# Altium PCB VCOCXO Breakout.PcbDoc (continued)
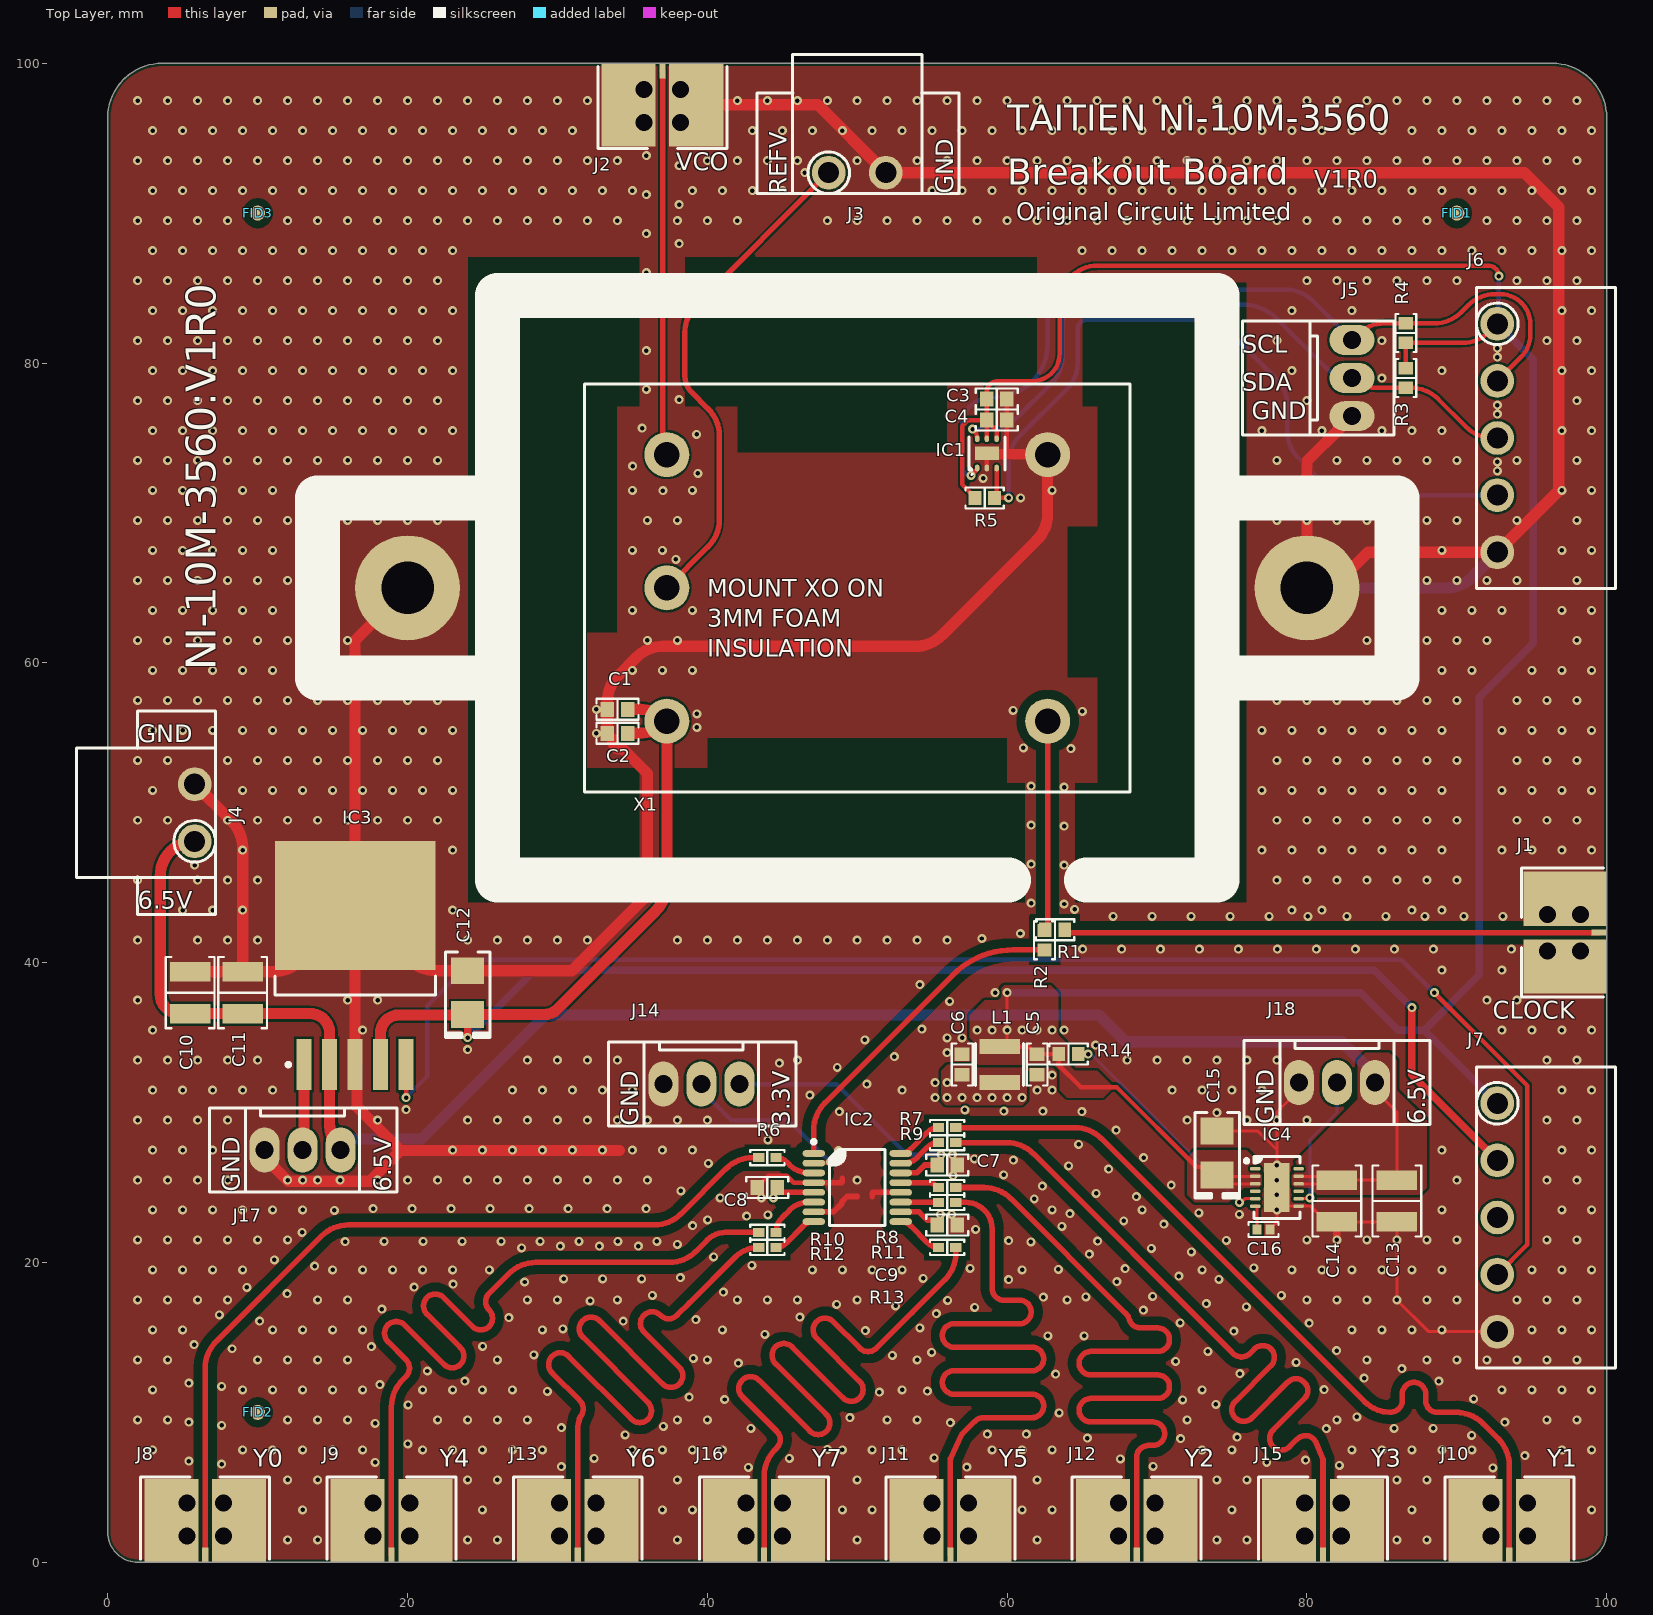
[diagram p0: Top Layer view]
## Part data
C1 C3 C6: library part GCM188R71E105KA64D, "CAP CER 1UF 25V X7R 0603", Device Package="0603 (1608 Metric)", Manufacturer="Murata Electronics", Operating Temperature="-55°C ~ 125°C", Ratings=AEC-Q200, Supplier Part Number 1=490-10673-1-ND, Temperature Coefficient=X7R, Tolerance=±10%, Voltage - Rated=25V, Applications=Automotive, Capacitance="1 µF", ComponentLink1Description=Datasheet, ComponentLink1URL=https://www.murata.com/~/media/webrenewal/support/library/catalog/products/capacitor/mlcc/c03e.ashx?la=en-us, ComponentLink2Description="DigiKey Link", ComponentLink2URL=https://www.digikey.com/en/products/detail/murata-electronics/GCM188R71E105KA64D/4903956, LastUpdated="20/08/2023 19:09:04", Lifecycle Status=Active, Minimum Order=1, Mounting Type="Surface Mount, MLCC", Package / Case="0603 (1608 Metric)", Packaging=TapeAndReel, Part Number=GCM188R71E105KA64D, Part Status=Active, partid=6762, Price=0.03, Series=GCM, Size / Dimension="0.063\" L x 0.031\" W (1.60mm x 0.80mm)", Supplier 1=DigiKey, Thickness (Max)="0.035\" (0.90mm)"
C2 C4 C7 C8 C9: library part CL10B104KB8NNNC, "CAP CER 0.1UF 50V X7R 0603", Device Package="0603 (1608 Metric)", Manufacturer="Samsung Electro-Mechanics", Operating Temperature="-55°C ~ 125°C", Supplier Part Number 1=1276-1000-1-ND, Temperature Coefficient=X7R, Tolerance=±10%, Voltage - Rated=50V, Applications="General Purpose", Capacitance="0.1 µF", ComponentLink1Description=Datasheet, ComponentLink1URL=http://www.samsungsem.com/kr/support/product-search/mlcc/CL10B104KB8NNNC.jsp, ComponentLink2Description="DigiKey Link", ComponentLink2URL=https://www.digikey.com/en/products/detail/samsung-electro-mechanics/CL10B104KB8NNNC/3886658, LastUpdated="02/11/2023 19:13:06", Lifecycle Status=Active, Minimum Order=1, Mounting Type="Surface Mount, MLCC", Package / Case="0603 (1608 Metric)", Packaging=TapeAndReel, Part Number=CL10B104KB8NNNC, Part Status=Active, partid=9788, Price=0.01, Series=CL, Size / Dimension="0.063\" L x 0.031\" W (1.60mm x 0.80mm)", Supplier 1=DigiKey, Thickness (Max)="0.035\" (0.90mm)"
C5: library part CL10A226MP8NUNE, "CAP CER 22UF 10V X5R 0603", Device Package="0603 (1608 Metric)", Manufacturer="Samsung Electro-Mechanics", Operating Temperature="-55°C ~ 85°C", Supplier Part Number 1=1276-1274-1-ND, Temperature Coefficient=X5R, Tolerance=±20%, Voltage - Rated=10V, Applications="General Purpose", Capacitance="22 µF", ComponentLink1Description=Datasheet, ComponentLink1URL=http://www.samsungsem.com/kr/support/product-search/mlcc/CL10A226MP8NUNE.jsp, ComponentLink2Description="DigiKey Link", ComponentLink2URL=https://www.digikey.com/en/products/detail/samsung-electro-mechanics/CL10A226MP8NUNE/3886932, LastUpdated="02/11/2023 19:13:02", Lifecycle Status=Active, Minimum Order=1, Mounting Type="Surface Mount, MLCC", Package / Case="0603 (1608 Metric)", Packaging=TapeAndReel, Part Number=CL10A226MP8NUNE, Part Status=Active, partid=11458, Price=0.02, Series=CL, Size / Dimension="0.063\" L x 0.031\" W (1.60mm x 0.80mm)", Supplier 1=DigiKey, Thickness (Max)="0.035\" (0.90mm)"
C10 C11 C13 C14: library part CL32B226KAJNNNE, "CAP CER 22UF 25V X7R 1210", Device Package="1210 (3225 Metric)", Manufacturer="Samsung Electro-Mechanics", Operating Temperature="-55°C ~ 125°C", Supplier Part Number 1=1276-3392-1-ND, Temperature Coefficient=X7R, Tolerance=±10%, Voltage - Rated=25V, Applications="General Purpose", Capacitance="22 µF", ComponentLink1Description=Datasheet, ComponentLink1URL=http://www.samsungsem.com/kr/support/product-search/mlcc/CL32B226KAJNNNE.jsp, ComponentLink2Description="DigiKey Link", ComponentLink2URL=https://www.digikey.com/en/products/detail/samsung-electro-mechanics/CL32B226KAJNNNE/3889050, LastUpdated="11/03/2024 07:19:56", Lifecycle Status=Active, Minimum Order=1, Mounting Type="Surface Mount, MLCC", Package / Case="1210 (3225 Metric)", Packaging=TapeAndReel, Part Number=CL32B226KAJNNNE, Part Status=Active, partid=39957, Price=0.13, Series=CL, Size / Dimension="0.126\" L x 0.098\" W (3.20mm x 2.50mm)", Supplier 1=DigiKey, Thickness (Max)="0.106\" (2.70mm)"
C12 C15: library part TAJB336K016RNJ, "CAP TANT 33UF 10% 16V 1411", ESR (Equivalent Series Resistance)=2.1Ohm, Manufacturer="AVX Corporation", Manufacturer Size Code=B, Operating Temperature="-55°C ~ 125°C", Package / Case="1411 (3528 Metric), 1210", Supplier Part Number 1=478-1688-1-ND, Tolerance=±10%, Voltage - Rated=16V, Capacitance=33µF, ComponentLink1Description=Datasheet, ComponentLink1URL=http://datasheets.avx.com/TAJ.pdf, ComponentLink2Description="DigiKey Link", ComponentLink2URL=http://digikey.com/product-detail/en/avx-corporation/TAJB336K016RNJ/478-1688-1-ND/564720, Features="General Purpose", Height - Seated (Max)="0.083\" (2.10mm)", LastUpdated="02/09/2020 01:15:43", Lifecycle Status=Active, Minimum Order=1, Mounting Type="Surface Mount", Packaging=TapeAndReel, Part Number=TAJB336K016RNJ, Part Status=Active, partid=928, Price=0.28, Series=TAJ, Size / Dimension="0.138\" L x 0.110\" W (3.50mm x 2.80mm)", Supplier 1=DigiKey, Type=Molded
C16: library part GCM155R71H683KE02D, "CAP CER 0.068UF 50V X7R 0402", Device Package="0402 (1005 Metric)", Manufacturer="Murata Electronics", Operating Temperature="-55°C ~ 125°C", Ratings=AEC-Q200, Supplier Part Number 1=490-14516-1-ND, Temperature Coefficient=X7R, Tolerance=±10%, Voltage - Rated=50V, Applications=Automotive, Capacitance="0.068 µF", ComponentLink1Description=Datasheet, ComponentLink1URL=https://search.murata.co.jp/Ceramy/image/img/A01X/G101/ENG/GCM155R71H683KE02-01.pdf, ComponentLink2Description="DigiKey Link", ComponentLink2URL=https://www.digikey.com/en/products/detail/murata-electronics/GCM155R71H683KE02D/4903710, LastUpdated="09/02/2024 20:04:22", Lifecycle Status=Active, Minimum Order=1, Mounting Type="Surface Mount, MLCC", Package / Case="0402 (1005 Metric)", Packaging=TapeAndReel, Part Number=GCM155R71H683KE02D, Part Status=Active, partid=11488, Price=0.01, Series=GCM, Size / Dimension="0.039\" L x 0.020\" W (1.00mm x 0.50mm)", Supplier 1=DigiKey, Thickness (Max)="0.022\" (0.55mm)"
FID1 FID2 FID3: library part CMP-002-000000-1, Component Type=Standard, Design Item ID=Fiducial, Pin Count=0, Source=Fiducial.SchLib
IC1: "TEMPERATURE SENSOR", Manufacturer="Texas Instruments", Operating Temperature="0°C ~ 85°C", Package / Case="6-WDFN Exposed Pad", Supplier Device Package="6-WSON (2x2)", Supplier Part Number 1=296-51835-1-ND, Voltage - Supply="1.8V ~ 5.5V", Accuracy - Highest (Lowest)="±0.1°C (±0.2°C)", ComponentLink1Description=Datasheet, ComponentLink1URL=http://www.ti.com/lit/ds/symlink/tmp117.pdf, ComponentLink2Description="DigiKey Link", ComponentLink2URL=https://www.digikey.com/en/products/detail/texas-instruments/TMP117MAIDRVR/9685285, Features="Standby Mode, Shutdown Mode, One-Shot, Programmable Limit", LastUpdated="16/03/2024 19:50:04", Lifecycle Status=Active, Minimum Order=1, Mounting Type="Surface Mount", Output Type=I²C/SMBus, Packaging=CutTape, Part Number=TMP117MAIDRVR, Part Status=Active, Price=2.19, Resolution="16 b", Sensing Temperature - Local="0°C ~ 85°C", Sensor Type="Digital, Local", Series=-, Supplier 1=DigiKey, Test Condition="30°C ~ 45°C (0°C ~ 85°C)"
IC2: "IC CLK BUFFER 1:8 250MHZ 16TSSOP", Frequency - Max="250 MHz", Manufacturer="Texas Instruments", Operating Temperature="-40°C ~ 105°C", Supplier Device Package=16-TSSOP, Supplier Part Number 1=296-LMK1C1108PWRCT-ND, Voltage - Supply="1.71V ~ 1.89V, 2.375V ~ 2.625V, 3.135V ~ 3.465V", ComponentLink2Description="DigiKey Link", ComponentLink2URL=https://www.digikey.com/en/products/detail/texas-instruments/LMK1C1108PWR/13627117, Differential - Input:Output=No/No, Input=LVCMOS, LastUpdated="17/03/2024 20:29:12", Lifecycle Status=Active, Minimum Order=1, Mounting Type="Surface Mount", Number of Circuits=1, Output=LVCMOS, Packaging=TapeAndReel, Part Number=LMK1C1108PWR, Part Status=Active, Price=1.83, Ratio - Input:Output=1:8, Series=-, Supplier 1=DigiKey, Type="Clock Buffer"
IC3: "IC REG LIN 5V 3A DDPAK/TO263-5", Current - Output=3A, Current - Quiescent (Iq)="9 mA", Current - Supply (Max)="15 mA", Manufacturer="Texas Instruments", Operating Temperature="-40°C ~ 125°C", Supplier Device Package="TO-263 (DDPAK-5)", Supplier Part Number 1=296-LP3873ESX-5.0/NOPBCT-ND, Voltage - Input (Max)=7V, Voltage - Output (Min/Fixed)=5V, Voltage Dropout (Max)="1.2V @ 3A", ComponentLink1Description=Datasheet, ComponentLink1URL=https://www.ti.com/general/docs/suppproductinfo.tsp?distId=10&gotoUrl=https%3A%2F%2Fwww.ti.com%2Flit%2Fgpn%2Flp3876, ComponentLink2Description="DigiKey Link", ComponentLink2URL=https://www.digikey.com/en/products/detail/texas-instruments/LP3873ESX-5-0-NOPB/1872700, Control Features=Enable, LastUpdated="16/03/2024 19:51:05", Lifecycle Status=Active, Minimum Order=1, Mounting Type="Surface Mount", Number of Regulators=1, Output Configuration=Positive, Output Type=Fixed, Packaging=TapeAndReel, Part Number=LP3873ESX-5.0/NOPB, Part Status=Active, Price=2.83, Protection Features="Over Current, Over Temperature, Short Circuit", PSRR="73dB ~ 57dB (120Hz)", Series=-, Supplier 1=DigiKey
IC4: "IC REG LINEAR 3.3V 500MA 12DFN", Current - Output=500mA, Manufacturer="Analog Devices Inc.", Operating Temperature="-40°C ~ 125°C", Supplier Device Package="12-DFN (4x3)", Supplier Part Number 1=LT1763IDE-3.3#TRPBFCT-ND, Voltage - Input (Max)=20V, Voltage - Output (Min/Fixed)=3.3V, Voltage Dropout (Max)="0.45V @ 500mA", ComponentLink1Description=Datasheet, ComponentLink1URL=https://www.analog.com/media/en/technical-documentation/data-sheets/1763fh.pdf, ComponentLink2Description="DigiKey Link", ComponentLink2URL=https://www.digikey.com/en/products/detail/analog-devices-inc/LT1763IDE-3-3-TRPBF/2181278, Control Features=Enable, LastUpdated="17/03/2024 15:16:57", Lifecycle Status=Active, Minimum Order=1, Mounting Type="Surface Mount", Number of Regulators=1, Output Configuration=Positive, Output Type=Fixed, Packaging=TapeAndReel, Part Number=LT1763IDE-3.3#TRPBF, Part Status=Active, Price=4.11, Protection Features="Over Current, Over Temperature, Reverse Polarity", PSRR="65dB (120Hz)", Series=-, Supplier 1=DigiKey
J1 J2 J8 J9 J10 J11 J12 J13 J15 J16: "CONN SMA JACK R/A 50OHM EDGE MNT", Frequency - Max="26.5 GHz", Manufacturer="Amphenol RF", Supplier Part Number 1=ARF2496-ND, ComponentLink1Description=Datasheet, ComponentLink1URL=http://www.amphenolrf.com/index.php/downloads/dl/file/id/7684/product/0/sma_high_frequency_connectors.pdf, ComponentLink2Description="DigiKey Link", ComponentLink2URL=https://www.digikey.com/en/products/detail/amphenol-rf/901-10510-2/6051059, Connector Style=SMA, Connector Type="Jack, Female Socket", Contact Termination=Solder, Fastening Type=Threaded, Impedance=50Ohm, LastUpdated="29/03/2023 22:34:51", Lifecycle Status=Active, Minimum Order=1, Mounting Type="Board Edge, End Launch; Through Hole, Right Angle", Number of Ports=1, Packaging=Bulk, Part Number=901-10510-2, Part Status=Active, Price=7.52, Series=-, Shield Termination=Solder, Supplier 1=DigiKey
J3 J4: "TERM BLOCK HDR 2POS 90DEG 3.81MM", Color=Green, Current - UL=10A, Manufacturer="Amphenol Anytek", Operating Temperature="-40°C ~ 115°C", Supplier Part Number 1=609-3819-ND, Voltage - UL=300V, ComponentLink1Description=Datasheet, ComponentLink1URL=http://portal.fciconnect.com/Comergent//fci/drawing/oqxx32x100j0g.pdf, ComponentLink2Description="DigiKey Link", ComponentLink2URL=//digikey.com/product-detail/en/amphenol-anytek/OQ0232510000G/609-3819-ND/2261255, Contact Mating Finish=Tin, Header Orientation="90°, Right Angle", LastUpdated="16/12/2019 19:14:30", Lifecycle Status=0, Minimum Order=1, Mounting Type="Through Hole", Number of Levels=1, Number of Positions=2, Packaging=Bulk, Part Number=OQ0232510000G, Part Status=Active, Pitch="0.150\" (3.81mm)", Positions Per Level=2, Price=0.49, Series=06-381, Supplier 1=DigiKey, Termination Style=Solder, Type="Header, Male Pins, Shrouded (4 Side)"
J5 J14 J17 J18: "CONN HEADER VERT 3POS 2.54MM", Insulation Color=Natural, Manufacturer=Molex, Material Flammability Rating="UL94 V-0", Supplier Part Number 1=WM4112-ND, ComponentLink1Description=Datasheet, ComponentLink1URL=https://www.molex.com/pdm_docs/sd/022272031_sd.pdf, ComponentLink2Description="DigiKey Link", ComponentLink2URL=http://digikey.com/product-detail/en/molex/0022272031/WM4112-ND/1130578, Connector Type=Header, Contact Finish - Mating=Tin, Contact Finish - Post=Tin, Contact Finish Thickness - Mating="100.0µin (2.54µm)", Contact Length - Mating="0.295\" (7.49mm)", Contact Length - Post="0.140\" (3.56mm)", Contact Material=Brass, Contact Shape=Square, Contact Type="Male Pin", Fastening Type="Friction Lock", Insulation Height="0.461\" (11.70mm)", Insulation Material="Polyamide (PA), Nylon", LastUpdated="12/01/2020 23:51:54", Lifecycle Status=Active, Minimum Order=1, Mounting Type="Through Hole", Number of Positions=3, Number of Positions Loaded=All, Number of Rows=1, Overall Contact Length="0.560\" (14.22mm)", Packaging=Bulk, Part Number=0022272031, Part Status=Active, partid=77, Pitch - Mating="0.100\" (2.54mm)", Price=0.37, Series="KK 6410", Shrouding="Shrouded - 1 Wall", Style="Board to Cable/Wire", Supplier 1=DigiKey, Termination=Solder
J6 J7: "TERM BLOCK HDR 5POS 90DEG 3.81MM", Color=Green, Current - UL=10A, Manufacturer="Amphenol Anytek", Operating Temperature="-40°C ~ 115°C", Supplier Part Number 1=609-3822-ND, Voltage - UL=300V, ComponentLink1Description=Datasheet, ComponentLink1URL=http://portal.fciconnect.com/Comergent//fci/drawing/oqxx32x100j0g.pdf, ComponentLink2Description="DigiKey Link", ComponentLink2URL=//digikey.com/product-detail/en/amphenol-anytek/OQ0532510000G/609-3822-ND/2261276, Contact Mating Finish=Tin, Header Orientation="90°, Right Angle", LastUpdated="16/12/2019 19:15:59", Lifecycle Status=0, Minimum Order=1, Mounting Type="Through Hole", Number of Levels=1, Number of Positions=5, Packaging=Bulk, Part Number=OQ0532510000G, Part Status=Active, Pitch="0.150\" (3.81mm)", Positions Per Level=5, Price=0.67, Series=06-381, Supplier 1=DigiKey, Termination Style=Solder, Type="Header, Male Pins, Shrouded (4 Side)"
L1: library part 74404032047, "FIXED IND 4.7UH 1.3A 96 MOHM SMD", Current - Saturation=1.2A, Current Rating (Amps)="1.3 A", DC Resistance (DCR)=96mOhm, Device Package=Nonstandard, Frequency - Self Resonant=50MHz, Inductance Frequency - Test="100 kHz", Manufacturer="Würth Elektronik", Operating Temperature="-40°C ~ 125°C", Ratings=AEC-Q200, Supplier Device Package=3015, Supplier Part Number 1=732-5495-1-ND, Tolerance=±20%, ComponentLink1Description=Datasheet, ComponentLink1URL=https://katalog.we-online.de/pbs/datasheet/74404032047.pdf, ComponentLink2Description="DigiKey Link", ComponentLink2URL=https://www.digikey.com/en/products/detail/würth-elektronik/74404032047/4865640, Height - Seated (Max)="0.059\" (1.50mm)", Inductance="4.7 µH", LastUpdated="16/03/2024 20:32:51", Lifecycle Status=Active, Material - Core=Ferrite, Minimum Order=1, Mounting Type="Surface Mount", Package / Case=Nonstandard, Packaging=TapeAndReel, Part Number=74404032047, Part Status=Active, partid=7005, Price=0.66, Series=WE-LQS, Shielding=Shielded, Size / Dimension="0.118\" L x 0.118\" W (3.00mm x 3.00mm)", Supplier 1=DigiKey, Type="Drum Core, Wirewound"
R1 R2 R14: library part ERJ-3GEY0R00V, "RES SMD 0 OHM JUMPER 1/10W 0603", Device Package="0603 (1608 Metric)", Manufacturer="Panasonic Electronic Components", Operating Temperature="-55°C ~ 155°C", Power (Watts)="0.1W, 1/10W", Ratings=AEC-Q200, Supplier Device Package=0603, Supplier Part Number 1=P0.0GCT-ND, Tolerance=Jumper, ComponentLink1Description=Datasheet, ComponentLink1URL=http://industrial.panasonic.com/www-cgi/jvcr13pz.cgi?E+PZ+3+AOA0001+ERJ3GEY0R00V+7+WW, ComponentLink2Description="DigiKey Link", ComponentLink2URL=https://www.digikey.com/en/products/detail/panasonic-electronic-components/ERJ-3GEY0R00V/135656, Composition="Thick Film", Features="Automotive AEC-Q200", Height - Seated (Max)="0.022\" (0.55mm)", LastUpdated="09/02/2024 20:42:26", Lifecycle Status=Active, Minimum Order=1, Number of Terminations=2, Package / Case="0603 (1608 Metric)", Packaging=CutTape, Part Number=ERJ-3GEY0R00V, Part Status=Active, partid=22603, Price=0.01, Resistance="0 Ohms", Series=ERJ-3G, Size / Dimension="0.063\" L x 0.031\" W (1.60mm x 0.80mm)", Supplier 1=DigiKey
R3 R4 R5: library part RC0603FR-074K7P, "RES 4.7K OHM 1% 1/10W 0603", Operating Temperature="-55°C ~ 155°C", Package / Case="0603 (1608 Metric)", Ratings="7C1 RoHS w/out Exemption (100% Pb-Free)", Supplier Device Package=0603, Supplier Part Number 1=YAG1304CT-ND, ComponentLink1Description=Datasheet, ComponentLink1URL=http://www.yageo.com/NewPortal/yageodocoutput?fileName=/pdf/R-Chip/PYu-RC_51_RoHS_P_0.pdf, ComponentLink2Description="DigiKey Link", ComponentLink2URL=https://www.digikey.com/en/products/detail/yageo/RC0603FR-074K7P/4935319, Composition="Thick Film", Features="Moisture Resistant", Height - Seated (Max)="0.022\" (0.55mm)", LastUpdated="02/11/2023 19:44:02", Lifecycle Status=Active, Minimum Order=1, Number of Terminations=2, Packaging=TapeAndReel, Part Number=RC0603FR-074K7P, Part Status=Active, partid=25963, Price=0.01, Resistance="4.7 kOhms", Series=RC_P, Size / Dimension="0.063\" L x 0.031\" W (1.60mm x 0.80mm)", Supplier 1=DigiKey
R6 R7 R8 R9 R10 R11 R12 R13: library part ERJ-2RKF49R9X, "RES SMD 49.9 OHM 1% 1/10W 0402", Device Package="0402 (1005 Metric)", Manufacturer="Panasonic Electronic Components", Operating Temperature="-55°C ~ 155°C", Power (Watts)="0.1W, 1/10W", Ratings=AEC-Q200, Supplier Device Package=0402, Supplier Part Number 1=P49.9LCT-ND, Temperature Coefficient=±100ppm/°C, Tolerance=±1%, ComponentLink1Description=Datasheet, ComponentLink1URL=https://industrial.panasonic.com/cdbs/www-data/pdf/RDA0000/AOA0000C304.pdf, ComponentLink2Description="DigiKey Link", ComponentLink2URL=https://www.digikey.com/en/products/detail/panasonic-electronic-components/ERJ-2RKF49R9X/192382, Composition="Thick Film", Features="Automotive AEC-Q200", Height - Seated (Max)="0.016\" (0.40mm)", LastUpdated="09/02/2024 20:29:34", Lifecycle Status=Active, Minimum Order=1, Number of Terminations=2, Package / Case="0402 (1005 Metric)", Packaging=CutTape, Part Number=ERJ-2RKF49R9X, Part Status=Active, partid=17623, Price=0.01, Resistance="49.9 Ohms", Series=ERJ-2RK, Size / Dimension="0.039\" L x 0.020\" W (1.00mm x 0.50mm)", Supplier 1=DigiKey
X1: library part NI-10M-3560, "XTAL OSC OCXO 10.0000MHZ CMOS TH", Frequency Stability=±0.1ppb, Manufacturer=Taitien, Operating Temperature="-10°C ~ 70°C", Supplier Part Number 1=1664-NI-10M-3560-ND, Voltage - Supply=5V, Base Resonator=Crystal, ComponentLink1Description=Datasheet, ComponentLink1URL=https://www.taitien.com/wp-content/uploads/2021/02/NI-10M-3500.pdf, ComponentLink2Description="DigiKey Link", ComponentLink2URL=https://www.digikey.com/en/products/detail/taitien/NI-10M-3560/18153328, Frequency="10 MHz", Height - Seated (Max)="0.737\" (18.72mm)", LastUpdated="16/03/2024 19:38:36", Lifecycle Status=Active, Minimum Order=1, Mounting Type="Through Hole", Output=CMOS, Packaging=Box, Part Number=NI-10M-3560, partid=323, Price=391.48, Series=NI-10M-3500, Size / Dimension="1.430\" L x 1.070\" W (36.32mm x 27.18mm)", Supplier 1=DigiKey, Type=OCXO

## Free pads (board coordinates)
  round 7 hole 3.5 paste-2539.97: M(80,65) M1(20,65)

## Via types
v1: diameter 0.6, hole 0.3, Top Layer to Bottom Layer, tented both sides, 1269 vias

## Nets (pads, with @x,y where several pads share a name; then routed paths per layer and width w, separated by ;. In a path a pad name is that pad's centre, name@x,y a point inside that pad or via, vN(x,y) a via of type N, cw(c..) or ccw(c..) an arc to the next point about the centre after c; other vN are vias at no path point)
3V3: C3.2 C4.1 C5.2 C15.1 IC1.4 IC1.5 IC4.2 IC4.3 J6.1 J7.1 L1.1 R3.1 R4.1 R5.1 R14.1 | length 178.2
  Top Layer w0.2: L1.1 59.6,34.4 60,34.8 v1(60,35.5) v1(60,38) ; C15.1 C15.1@74.09,25.75 ; IC4.3 74.59,25.25 C15.1@74.09,25.75 ; IC4.2 C15.1@74.09,25.75
  Top Layer w0.3: R5.1 57.85,71.05 57,71.9 57,75.8 57.4,76.2 C4.1 58.625,76.15 C4.1@58.65,76.125 ; IC1.5 C4.1@58.65,76.125 ; C4.1@58.65,76.2 58.65,77.575 C3.2 58.625,78.025 cw(c59.4,78.025) 59.4,78.8 61.7,78.8 ccw(c61.7,80.6) 63.5,80.6 63.5,83.96 cw(c66.04,83.96) 66.04,86.5 92.1,86.5 cw(c92.1,85.8) v1(92.8,85.8) ; IC1.4 59.3,75.501 58.951,75.85 58.925,75.85 C4.1@58.65,76.125 ; L1.1@59.6,34.4 61.425,34.4 61.95,33.875 C5.2 63.425,33.875 R14.1 63.45,33.15 64.9,31.7 67.3,31.7 72.611,26.389 73.451,26.389 C15.1 ; R3.1 R4.1 90.376,81.35 ccw(c90.376,83.89) 92.172,82.094 J6.1
  Bottom Layer w0.3: J6.1 ccw(c92.698,82.722) 92.8,82.722 v1(92.8,85.8)
  Bottom Layer w0.5: v1(60,38) 83.6,38 86.1,35.5 87.818,35.5 ; J7.1 87.818,35.5 ; J6.1 95.1,80.218 95.1,61.3 91.5,57.7 91.5,39.182 87.818,35.5
  other v1: 58,35.5 59,35.5 61,35.5 62,35.5 63,35.5
3V3_SENSE: IC4.5 R14.2 | length 16
  Top Layer w0.2: R14.2 v1(65.4,33.9) ; v1(75.5,24) 75.608,24 75.858,24.25 IC4.5
  Bottom Layer w0.2: v1(65.4,33.9) 65.477,33.823 65.677,33.823 v1(75.5,24)
3V3BUF: C6.2 C7.1 C8.1 C9.1 IC2.5 IC2.10 IC2.14 J14.1 L1.2 | length 25.9
  Top Layer w0.3: v1(44.4,24.3) 44.4,24.725 C8.1 ; C9.1 55.55,22.725 v1(55.55,23.2) ; C7.1 55.6,26.775 v1(55.6,27.2)
  Top Layer w0.381: C8.1 44.675,24.95 44.95,24.675 IC2.5 ; IC2.10 54.125,23.375 54.69,22.81 55.065,22.81 55.325,22.55 C9.1 ; IC2.14 52.913,25.988 53.988,25.988 54.5,26.5 C7.1
  Bottom Layer w0.3: J14.1 48.6,31.9 53.3,27.2 v1(55.6,27.2)
  other v1: 56,31 57,31 58,31 59,31 60,31 61,31 56,32
5V: C1.2 C2.1 C12.1 IC3.4 J7.2 X1.3 | length 122.5
  Top Layer w0.5: v1(24,35) C12.1 ; v1(87,37) 87,32.508 J7.2
  Top Layer w0.75: IC3.4 18.2,35.3 cw(c19.4,35.3) 19.4,36.5 23.96,36.5 ccw(c23.96,36.54) C12.1 29.131,36.54 ccw(c29.131,37.769) 30,36.9 36.556,43.456 ccw(c34.76,45.252) 37.3,45.252 X1.3 ; C2.1 35.438,55.3 ccw(c35.438,57.84) 37.234,56.044 X1.3 ; C1.2 35.458,56.9 cw(c35.458,54.36) 37.254,56.156 X1.3
  Bottom Layer w0.5: v1(24,35) 28.5,39.5 84.5,39.5 v1(87,37)
6V5: C10.2 C11.2 C13.2 C14.2 IC3.2 IC4.10 IC4.11 J4.1 J17.1 J18.1 | length 123.7
  Top Layer w0.2: IC4.10 81.75,25.25 C14.2 ; IC4.11 81.75,25.75 C14.2 ; J18.1 84.54,31.5 86,30.04 C13.2 C14.2
  Top Layer w0.75: J4.1 ccw(c5.802,45.793) 3.5,45.793 3.5,37.9 ccw(c4.8,37.9) 4.8,36.6 C10.2 C11.2 13.507,36.6 cw(c13.507,35.307) 14.8,35.307 IC3.2 14.8,29.287 ccw(c17.327,29.287) J17.1